# KiCad board Transmi.kicad_pcb (continued)
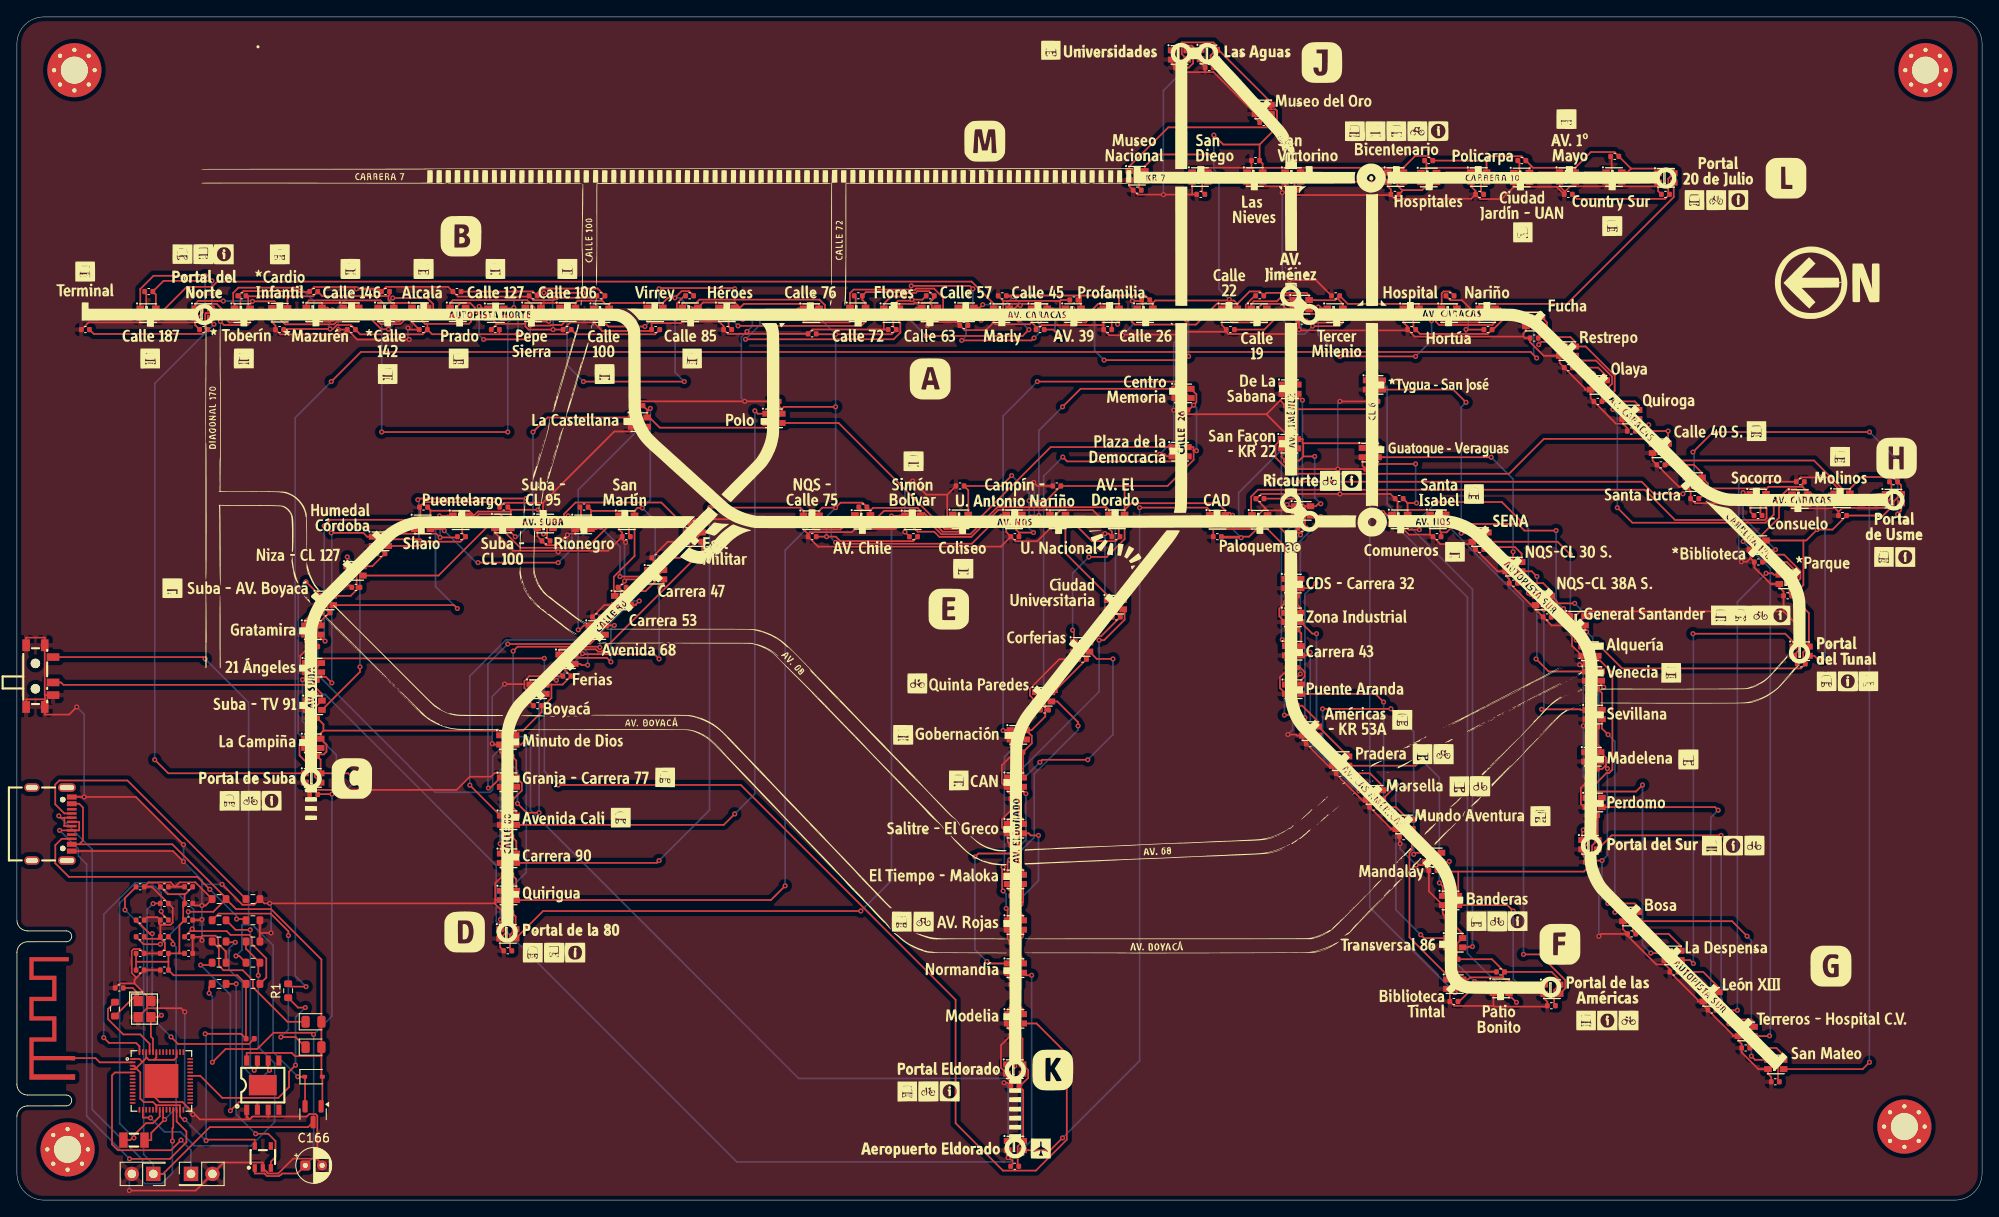
[diagram p0: board, top side]
## Routing (per net, layer and track width the routed paths; a pad name or vN(x,y) marks a point on that pad's centre or on a via; arc(x,y) is an arc through that point) (continued)
+BATT: length 57.4
  Top w0.2: C101.1 12.79,35.75 v1(12.79,34.34) ; J101.1 17.3,3.1 22.83,8.63 34.47,8.63 Q101.3
  Bottom w0.2: v1(12.79,34.34) 15,32.13 15,5.4 16.15,4.25 J101.1
BOOT: length 24.2
  Top w0.2: v1(19.42,7.09) 18.23,5.9 11.96,5.9 11.26,6.6 11.26,14.75 11.61,15.1 U1.5
  Bottom w0.2: J105.1 20.61,5.91 v1(19.42,7.09)
CHRG: length 21.5
  Top w0.2: U103.7 28.47,15.61 28.33,15.61 v1(28.09,15.36) ; R103.2 25.89,31.98 v1(27.62,31.98)
  Bottom w0.2: v1(27.62,31.98) 27.62,15.83 v1(28.09,15.36)
Earth: length 1656.3
  Top w0.2: C8.1 105.65,78.51 v1(105.11,79.05) LED30.2 104.45,79.9 103.95,79.4 99.19,79.4 ; 93.11,79.38 91.93,80.56 80.21,80.56 C47.1 79.94,79.71 79.94,78.57 LED95.2 77.05,77.9 C31.1 75.34,75.81 75.34,74.1 LED83.2 72.21,73.45 71.96,73.2 ; 93.11,79.38 LED6.2 ; 93.11,79.38 93.11,79.35 93.65,78.81 ; 137.66,133.46 C60.1 136.73,134.4 136.69,134.4 LED45.2 ; 137.66,133.46 v1(137.66,133.24) ; 137.66,133.46 140.65,133.46 ; 166.77,39.65 166.77,39.36 C124.1 167.13,36.54 LED68.2 168.77,33.88 C140.1 169.15,32.93 169.95,32.12 169.95,30.58 LED80.2 169.27,29.35 169.63,28.99 C156.1 170.3,27.83 170.3,27 ; 166.77,39.65 LED56.2 ; 166.77,39.65 v1(165.62,39.65) ; LED112.2 208.2,72.9 ; 208.2,72.9 209.11,72 C6.1 209.11,69.66 ; 208.2,72.9 207.59,72.9 205.65,74.85 C134.1 205.19,75.96 ; v1(106.03,85.09) 107.65,83.47 110.11,83.47 ; LED111.2 171.03,106.48 169.67,106.48 C84.1 ; LED111.2 173.11,103.85 168.61,103.85 LED99.2 ; LED111.2 172.45,104.4 172.43,104.37 v1(171.78,104.37) ; C3.1 99.28,106.83 99.28,104.97 98.61,104.3 ; 195.11,27.88 195.11,27.85 195.65,27.31 C42.1 198.95,23.69 198.95,23.5 LED139.2 199.61,22.95 199.7,22.95 C58.1 203.11,19.53 203.11,19.4 LED128.2 203.77,18.85 204.15,18.47 C74.1 204.15,17.47 206.12,15.5 LED140.2 207.27,14.95 207.65,14.57 C90.1 ; 195.11,27.88 LED127.2 ; 195.11,27.88 194.03,27.88 190.65,31.27 C26.1 ; 14.61,103.85 8.47,103.85 C1.1 ; 14.61,103.85 21.11,103.85 ; 14.61,103.85 LED13.2 15.31,105.1 15.31,107.32 C17.1 ; 27.54,9.55 27.88,9.89 29.75,9.89 ; 27.54,9.55 27.3,9.79 27.2,9.79 U103.1 ; 27.54,9.55 21.66,9.55 20.9,10.31 ; v1(171.52,103.02) 171.54,103 C100.1 ; C18.1 56.83,103.68 ; 56.83,103.68 60.19,103.68 ; 56.83,103.68 56.42,104.09 56.42,104.4 LED121.2 55.11,104.4 54.21,105.3 54.21,105.59 53.64,106.16 52.54,106.16 52.16,105.78 52.16,105.39 LED109.2 ; LED20.2 155.77,51.12 ; 155.77,51.12 155.48,51.12 C43.1 152.21,54.4 152.19,54.4 LED8.2 151.53,54.95 151.4,55.09 v1(150.44,55.09) ; 155.77,51.12 155.77,50.85 155.8,50.85 C59.1 156.15,50.4 159.43,47.12 159.77,47.12 ; LED131.2 71.27,79.35 71.65,78.97 C136.1 71.51,78.36 ; LED22.2 162.27,119.95 162.63,119.59 C45.1 162.63,118.92 ; 170.3,27 C139.1 ; 170.3,27 170.3,25.69 169.61,25 ; 185.77,46.22 185.77,45.95 185.96,45.76 185.96,45.5 ; 185.77,46.22 LED91.2 ; 185.77,46.22 185.11,46.88 185.11,48.77 v1(185.9,49.56) 185.9,50.79 C138.1 185.76,51.35 185.61,51.35 LED79.2 ; 185.96,45.5 185.96,42.19 LED103.2 185.27,40.95 185.57,40.65 ; 185.96,45.5 C154.1 ; LED119.2 89.37,92.63 89.37,94.41 C79.1 89.26,94.51 v1(86.15,94.51) 73.75,94.51 73.24,94 ; 194.27,119.95 LED94.2 ; 194.27,119.95 188.38,119.95 188.11,120.22 ; 194.27,119.95 194.27,119.38 C158.1 ; 190.11,91.86 189.28,91.86 C5.1 186.27,94.88 LED4.2 185.61,95.9 185.61,96.03 C149.1 182.61,99.04 LED135.2 180.72,99.9 179.11,101.52 C133.1 178.5,102 178.32,102.18 ; 190.11,91.86 190.11,91.85 190.61,91.35 C21.1 ; 190.11,91.86 LED16.2 ; 183.02,119.13 182.25,119.9 177.19,119.9 ; 183.02,119.13 C93.1 ; 183.02,119.13 183.22,119.33 ; 20.9,10.31 19.61,11.6 16.89,11.6 15.89,12.6 ; 20.9,10.31 20.82,10.23 v1(20.82,10.12) ; LED147.2 137.11,94.35 137.65,93.81 C162.1 ; C98.1 79.02,107 78.11,106.1 78.11,105.15 LED38.2 78.77,103.95 ; v1(21.9,33.2) 21.82,33.13 C119.2 ; 21.11,103.85 21.11,104.12 ; 21.11,103.85 21.11,103.52 C33.1 ; 47.11,78.85 LED89.2 47.76,80.05 47.76,81.89 C86.1 48.23,82.58 56.57,82.58 C104.1 57.66,82.51 62.27,82.51 ; 47.11,78.85 49.65,78.85 v1(50.09,78.41) 52.06,78.41 C87.1 ; 47.11,78.85 44.68,78.85 44.42,79.11 43.42,79.11 42.84,78.53 42.84,77.95 42.11,77.22 ; 102.61,103.01 94.16,103.01 C147.1 86.41,102.5 ; 102.61,103.01 LED86.2 103.37,105.16 103.37,105.51 104.28,106.42 105.81,106.42 v1(105.93,106.55) 107.17,106.55 C35.1 ; 102.61,103.01 103.11,103.01 C19.1 ; 146.11,104.95 146.64,104.95 147.03,105.33 147.03,105.69 147.38,106.05 149.66,106.05 150.31,105.4 LED63.2 ; 146.11,104.95 145.57,104.95 145.45,105.06 145.45,105.94 146.51,107 C20.1 ; 146.11,104.95 LED51.2 ; C88.1 141.61,79.4 ; 141.61,79.4 141.19,79.4 LED90.2 ; 141.61,79.4 146.19,79.4 LED102.2 146.95,80.71 146.95,81.07 147.76,81.89 ; 98.61,104.3 98.61,103.95 98.51,103.85 93.11,103.85 93.11,104.14 ; 98.61,104.3 LED74.2 ; 146.74,83 147.29,83.55 v1(156.6,83.55) 162.57,83.55 C153.1 163.42,82.71 163.42,80.65 163.14,80.37 ; 146.74,83 C117.1 ; 146.74,83 146.74,82.9 147.76,81.89 ; 215.11,81.95 215.01,81.85 210.11,81.85 LED64.2 ; 215.11,81.95 215.61,81.45 ; 215.11,81.95 LED76.2 214.45,82.5 214.45,82.67 214.54,82.75 214.7,82.75 214.7,82.75 214.76,82.75 215.06,83.05 215.64,83.05 215.76,83.17 215.76,84.03 214.28,85.51 211.12,85.51 C85.1 204.66,85 v1(204.35,85.3) ; 57.65,50.55 57.8,50.55 57.92,50.43 57.92,49.55 LED11.2 57.27,48.35 57.63,47.99 C78.1 57.95,47.18 57.95,45.08 LED142.2 57.27,43.85 57.63,43.49 C62.1 57.96,42.66 57.96,40.6 LED130.2 57.27,39.35 57.63,38.99 C46.1 56.61,37.49 56.61,35.5 ; 57.65,50.55 56.57,50.55 56.12,50.1 53.61,50.1 52.05,48.54 v1(37.81,48.54) 34.65,48.54 ; 57.65,50.55 C94.1 57.19,52.96 LED23.2 56.53,53.9 56.43,54.01 v1(56.26,54.01) ; 111.42,103.89 111.42,103.69 C51.1 112.17,102.94 114.69,102.94 115.61,103.85 ; 111.42,103.89 LED110.2 ; 111.42,103.89 107.77,103.89 ; LED9.2 150.11,119.95 ; 150.11,119.95 150.2,119.95 C12.1 150.65,119.22 ; 150.11,119.95 145.61,119.95 LED10.2 146.26,121.15 146.26,122.1 146.2,122.16 146.13,122.16 ; 166.84,122.15 166.84,122.79 C142.1 ; 166.84,122.15 166.84,121.1 LED34.2 ; 166.84,122.15 172.64,122.15 172.77,122.02 172.77,120.62 172.11,119.96 ; 174.77,23 174.75,22.98 170.13,22.98 C123.1 169.61,25 ; 174.77,23 174.87,22.9 181.04,22.9 C155.1 181.15,23.47 180.77,23.85 LED116.2 ; 174.77,23 LED104.2 ; LED126.2 163.14,80.37 ; 163.14,80.37 164.76,78.75 167.27,78.75 ; 150.65,119.22 150.95,118.92 162.63,118.92 ; 150.65,119.22 149.8,119.22 v1(149.78,119.2) ; 139.11,119 139.08,118.97 v1(135.7,118.97) 132.65,118.97 C76.1 131.66,119.97 LED57.2 ; 139.11,119 LED69.2 139.9,121.29 139.9,121.7 140.36,122.16 146.13,122.16 ; 139.11,119 C13.1 ; 26.3,107.04 26.47,106.87 26.47,105.1 LED37.2 25.11,104.4 25.11,104.58 23.64,106.05 22.4,106.05 22.03,105.67 22.03,105.04 21.11,104.12 ; 26.3,107.04 26.18,107.04 C49.1 ; 26.3,107.04 26.82,107.56 33.24,107.56 33.34,107.46 34.61,107.46 C81.1 35.18,108.04 39.98,108.04 v1(40.19,107.83) 42.82,107.83 C130.1 43.71,108.06 51.04,108.06 C2.1 52.2,106.91 60.53,106.91 C34.1 61.15,106.48 63.51,106.48 v1(63.8,106.77) 68.42,106.77 C66.1 ; 21.83,31.16 21.96,31.29 23.5,31.29 23.82,30.96 23.82,30.33 24.76,29.4 R105.2 ; 21.83,31.16 C120.2 C121.2 ; 21.83,31.16 21.83,30.8 v1(21.91,30.73) ; 86.41,102.5 86.4,102.49 84.16,102.49 C131.1 83.65,103.41 83.11,103.95 ; 86.41,102.5 v1(86.41,102.78) ; v1(151.76,103) 151.76,103.84 C36.1 ; v1(151.76,103) 151.24,102.48 143.41,102.48 143.15,102.74 ; v1(151.76,103) 151.85,102.91 164.52,102.91 C68.1 ; SW129.4 1.09,66.55 3.29,66.55 SW129.4 3.29,59.78 3.32,59.75 ; 61.61,79.22 62.27,79.89 62.27,82.51 ; 61.61,79.22 LED125.2 ; 61.61,79.22 61.61,78.54 C116.1 62.66,77.49 63.94,77.49 v1(65.17,78.71) 65.31,78.85 66.11,78.85 LED137.2 66.76,79.4 66.76,81.89 C135.1 ; 129.27,79.72 127.34,81.65 123.54,81.65 122.92,81.03 122.92,80.65 LED66.2 ; 129.27,79.72 LED78.2 ; 129.27,79.72 129.27,79.45 129.61,79.11 C72.1 129.25,78.86 v1(128.78,78.86) ; C7.1 34.16,52.95 34.11,52.95 LED5.2 34.76,54.15 34.76,55.71 v1(34.71,55.76) 34.71,56.92 C23.1 34.63,57.09 34.27,57.45 LED17.2 ; 3.32,59.75 SW129.3 ; 3.32,59.75 3.32,59 3.29,58.98 ; 185.77,56.62 186.42,57.28 186.42,60.23 C89.1 185.75,60.9 185.69,60.9 LED55.2 ; 185.77,56.62 LED67.2 ; 185.77,56.62 185.77,56.35 185.8,56.35 C122.1 186.03,56.12 v1(185.41,56.12) ; 117.27,48.62 116.58,49.31 116.58,51.45 C145.1 117.61,53.52 LED12.2 118.79,55.69 118.79,56.12 120.67,58 C144.1 120.7,58.45 120.61,58.45 LED24.2 119.9,59.7 119.9,60.51 123.39,64 C128.1 125.3,64.35 125.11,64.35 LED36.2 126.29,66.09 126.29,66.47 127.2,67.38 v1(127.31,67.38) 128.94,69 C95.1 129.3,69.35 129.11,69.35 LED48.2 ; 117.27,48.62 117.27,48.35 117.65,47.97 C129.1 117.65,46.1 116.59,45.05 116.59,44.07 LED84.2 117.27,42.38 C96.1 118.3,41.35 118.3,38.43 LED96.2 117.27,36.85 117.65,36.47 C80.1 117.98,35.67 117.98,32.71 LED108.2 117.27,30.88 C64.1 117.93,30.22 117.93,27.28 117.27,26.62 ; 117.27,48.62 LED72.2 ; R111.2 28.77,31.62 ; 28.77,31.62 R109.2 ; 28.77,31.62 v1(30.09,31.62) ; C97.1 38.54,102.44 31.17,102.44 C65.1 30.61,103.48 30.19,103.9 LED49.2 ; C97.1 39.1,103 v1(38.04,103) ; C97.1 40.27,101.83 v1(46.43,101.83) ; LED54.2 117.11,79.04 C40.1 ; 178.32,102.18 178.32,102.56 178.61,102.85 LED123.2 ; 178.32,102.18 171.52,102.18 ; 75.13,103.77 C82.1 74.97,102.84 69.27,102.84 68.27,103.85 ; 75.13,103.77 74.95,103.95 74.61,103.95 LED26.2 ; 75.13,103.77 78.59,103.77 78.77,103.95 ; C68.1 165.43,102.18 171.52,102.18 ; C68.1 164.61,103.35 164.11,103.85 LED87.2 ; C22.1 210.33,63.85 210.27,63.85 LED124.2 210.92,65.05 210.92,67.84 209.11,69.66 ; 117.27,26.62 117.27,26.35 117.65,25.97 C48.1 118.27,24.87 118.27,21.91 LED132.2 117.27,20.35 117.65,19.97 C32.1 116.48,18.33 116.48,15.66 LED144.2 117.19,14.4 117.65,13.94 C16.1 117.25,13.89 v1(116.83,13.89) ; 117.27,26.62 LED120.2 ; LED100.2 205.19,75.96 ; 205.19,75.96 204.76,75.54 v1(204.11,75.54) ; LED43.2 181.65,68 C57.1 179.8,69.85 179.77,69.85 179.77,70.1 ; LED43.2 183.77,67.45 184.11,67.11 C73.1 184.06,66.96 184.06,65.6 LED60.2 185.27,63.85 185.3,63.85 C160.1 185.5,63.35 v1(184.96,63.35) ; LED43.2 184.48,68.71 184.48,69.11 185.03,69.66 209.11,69.66 ; C15.1 71.16,72.48 71.24,72.48 ; LED63.2 151.11,104.85 154.01,104.85 154.45,104.4 LED75.2 ; LED63.2 151.76,105.4 151.78,105.43 v1(152.01,105.43) ; C40.1 118.19,77.95 120.77,77.95 122.27,79.45 LED66.2 ; C40.1 116.47,77.32 94.83,77.32 C151.1 93.65,78.81 ; LED39.2 142.61,103.54 C4.1 143.15,102.74 ; 35.61,70.12 35.61,69.85 35.76,69.85 C55.1 34.76,68.15 34.76,67.55 LED41.2 34.11,66.04 C54.1 33.53,64.39 33.53,63.1 LED29.2 34.19,61.9 34.21,61.9 C39.1 33.89,61.5 v1(33.81,61.58) ; 35.61,70.12 36.47,70.99 36.47,71.62 37.57,72.73 39.11,72.73 ; 35.61,70.12 LED53.2 ; SW129.4 1.09,59.25 3.29,59.25 3.29,58.98 ; 143.15,102.74 138.22,102.74 v1(137.89,102.41) 130.95,102.41 v1(130.87,102.33) 129.3,102.33 C132.1 128.61,103.02 128.61,103.53 ; 42.11,77.22 42.11,76.85 42.26,76.85 C71.1 41.29,76.5 39.82,75.03 39.82,74.62 LED65.2 39.11,72.73 ; 42.11,77.22 LED77.2 ; LED31.2 179.77,70.1 ; 179.77,70.1 179.54,70.1 C41.1 176.65,73.47 176.27,73.85 LED19.2 175.25,74.4 C25.1 172.3,77.35 172.27,77.35 172.27,77.62 ; C28.1 146.66,127.95 146.61,127.95 LED21.2 141.64,133.46 140.65,133.46 ; 60.19,103.68 LED133.2 ; 60.19,103.68 60.19,103.37 60.55,103 v1(63.47,103) 63.47,103 C50.1 65.49,103.85 68.27,103.85 ; 35.19,4.91 35.19,5.61 35.56,5.99 35.56,9.98 35.37,10.17 34.6,10.17 34.32,9.89 29.75,9.89 ; 35.19,4.91 32.68,4.91 30.93,3.15 29.72,3.15 29.6,3.27 29.6,3.3 Q102.2 29.11,4.45 24.5,4.45 J105.2 21.18,1.13 v1(13.31,1.13) ; 35.19,4.91 35.48,4.91 36.13,4.25 C166.2 ; 39.11,72.73 39.42,72.73 C70.1 ; 21.11,104.12 LED25.2 ; 162.63,118.92 163.06,118.49 172.13,118.49 C61.1 ; LED28.2 193.61,87.5 C37.1 196.71,84.4 LED40.2 198.11,83.9 C53.1 198.66,82.45 v1(203.8,82.45) LED52.2 205.19,81.42 C69.1 ; C38.1 34.65,48.54 ; 34.65,48.54 34.34,48.85 34.11,48.85 LED136.2 ; 18.74,37.07 C115.1 ; 18.74,37.07 18.21,37.59 15.59,37.59 C101.2 15.97,37.07 C110.2 18.44,34.6 18.44,32.83 18.18,32.57 16.98,32.57 ; 18.74,37.07 C109.2 ; 18.74,37.07 19.26,37.59 21.13,37.59 R101.1 22.34,34.85 v1(21.9,34.85) 21.05,34.85 C118.2 ; v1(185.65,40.73) 185.57,40.65 ; 185.57,40.65 185.65,40.57 C10.1 ; 171.52,102.18 v1(171.52,101.85) ; 46.13,104.5 C146.1 46.47,103 v1(46.28,103.19) ; 46.13,104.5 LED97.2 ; 46.13,104.5 46.13,104.39 45.38,103.65 43.07,103.65 42.77,103.95 LED85.2 ; 16.98,32.57 C112.1 16.74,30.92 16.68,30.92 ; 16.98,32.57 16.8,32.75 16.8,33.3 ; C111.1 16.8,33.3 ; 16.8,33.3 16.63,33.47 15.41,33.47 C105.2 ; 215.61,81.45 216.06,81.9 221.19,81.9 LED88.2 221.87,83.13 221.87,84.78 C150.1 ; 215.61,81.45 C102.1 ; 188.11,120.22 LED82.2 188.76,121.15 188.76,123.39 C126.1 ; 188.11,120.22 188.11,119.95 183.84,119.95 183.22,119.33 ; LED59.2 68.43,67.56 68.43,68.7 C159.1 69.53,70.4 LED71.2 71.46,71.09 71.46,72.26 71.24,72.48 ; 140.65,133.46 C44.1 140.2,134.45 140.11,134.45 LED33.2 ; C92.1 149.53,94.61 ; 149.53,94.61 147.9,92.98 ; 149.53,94.61 149.77,94.85 LED81.2 ; 115.61,103.85 LED122.2 116.74,105.54 116.74,106.39 ; 115.61,103.85 115.61,103.85 115.83,103.62 119.88,103.62 120.11,103.85 ; C63.1 73.15,94 73.24,94 ; C67.1 116.74,106.4 116.74,106.39 ; 3.29,58.98 SW129.4 3.29,57.45 6.18,57.45 v1(7.08,58.35) ; 147.9,92.98 138.16,92.98 C162.1 ; 147.9,92.98 150.38,90.5 150.38,89.64 LED93.2 149.69,87.96 C125.1 151.15,86.5 v1(156.34,86.5) C164.1 159.27,86.88 LED146.2 ; 64.07,76.83 69.98,76.83 71.51,78.36 ; 64.07,76.83 v1(64.07,76.68) ; 64.07,76.83 58.72,76.83 56.61,78.95 LED113.2 ; 62.27,82.51 70.71,90.95 72.77,90.95 LED107.2 73.42,92.15 73.42,93.82 73.24,94 ; LED138.2 167.27,78.75 ; USB101.A1B12 v1(7.96,47.7) 14.08,47.7 v1(19.72,42.06) ; LED32.2 159.77,47.12 ; 159.77,47.12 159.77,46.85 160.11,46.51 C75.1 162.61,43.99 162.61,43.9 LED44.2 163.27,43.35 163.3,43.35 C91.1 163.65,42.25 v1(163.72,42.18) ; LED148.2 136.11,88 135.86,88.25 v1(135.26,88.25) ; 169.61,25 LED92.2 ; 123.45,106.39 123.45,105.05 LED3.2 ; 123.45,106.39 116.74,106.39 ; 123.45,106.39 123.56,106.5 C99.1 ; 150.61,59.31 v1(151,59.31) ; 150.61,59.31 150.57,59.35 150.19,59.35 LED141.2 149.5,60.59 149.5,61.87 C11.1 150.63,63.46 150.19,63.9 LED129.2 150.85,65.11 150.85,67.28 C157.1 150.28,67.85 150.11,67.85 LED117.2 149.42,69.09 149.42,69.99 v1(150.17,70.74) 150.17,71.04 C141.1 150.28,71.85 150.11,71.85 LED105.2 ; 150.61,59.31 C27.1 ; 93.11,104.14 87.65,104.14 v1(87.05,104.74) ; 93.11,104.14 LED62.2 ; v1(107.77,103.48) 107.77,103.89 ; 107.77,103.89 107.71,103.95 107.11,103.95 LED98.2 ; 13.92,25.63 13.92,26.08 14.15,26.3 ; 13.92,25.63 15.41,24.15 15.41,23.55 ; 13.92,25.63 12.16,25.63 C103.1 ; 14.15,26.3 13.58,26.87 13.58,29.48 13.81,29.71 14.55,29.71 C107.2 C113.1 17.51,29.72 17.51,30.48 17.07,30.92 16.68,30.92 ; 14.15,26.3 C108.2 C114.1 ; 128.61,103.53 121.29,103.53 121.09,103.33 120.63,103.33 ; 128.61,103.53 LED15.2 ; LED46.2 172.11,119.96 ; 172.11,119.96 172.11,119.95 172.65,119.41 C61.1 ; 29.75,9.89 U103.3 ; 78.77,103.95 78.77,103.95 83.11,103.95 ; 16.68,30.92 15.3,30.92 C106.2 ; 15.41,22.7 X101.2 ; 15.41,22.7 15.41,23.55 ; 15.41,22.7 19.44,22.7 v1(19.87,22.27) ; 99.19,79.4 LED18.2 99.87,80.64 99.87,81.77 C152.1 ; 99.19,79.4 98.82,79.03 93.87,79.03 93.65,78.81 ; 120.63,103.33 C83.1 ; 120.63,103.33 120.11,103.85 120.11,103.85 ; 177.19,119.9 LED58.2 177.84,121.1 177.84,122.81 C77.1 ; 177.19,119.9 175.73,118.44 173.21,118.44 C61.1 ; 71.24,72.48 71.96,73.2 ; LED47.2 64.19,62.44 C143.1 60.64,62 60.07,61.42 60.07,61.05 ; 71.96,73.2 v1(71.92,73.24) ; C127.1 60.77,58.88 LED35.2 60.07,60.6 60.07,61.05 ; v1(120.41,80.05) 121.57,80.05 121.61,80 LED66.2 ; 15.41,23.55 X101.4 ; 147.76,81.89 148.04,81.61 150.66,81.61 LED114.2 151.27,80.45 151.63,80.09 C137.1 151.3,79.82 v1(150.92,79.82) ; 110.11,83.47 110.11,80.65 LED42.2 ; 110.11,83.47 C24.1 ; LED2.2 63.61,104.5 63.61,104.55 v1(63.41,104.76) ; LED143.2 117.27,5.35 117.33,5.29 v1(117.33,5.01) 117.33,4.93 117.55,4.93 117.85,4.64 117.85,4.22 C161.1 ; 167.27,78.75 167.51,78.5 C9.1 168.48,77.62 172.27,77.62 ; 83.11,103.95 LED50.2 ; v1(19.72,40.05) 18.47,41.3 USB101.B1A12 ; v1(72.05,77.82) 71.51,78.36 ; C26.1 190.11,32.04 LED115.2 ; C26.1 187.52,31.5 v1(187.24,31.22) ; 56.56,35.11 56.56,35.07 C30.1 57.85,33.78 57.85,31.61 LED106.2 57.19,29.94 C14.1 ; 56.56,35.11 56.61,35.17 56.61,35.5 ; 56.56,35.11 v1(29.92,35.11) 29.27,35.11 R108.2 28.09,34.94 26.7,34.94 v1(24.29,37.36) ; 172.27,77.62 LED7.2 ; 56.61,35.5 LED118.2 ; C56.1 120.77,84.5 v1(120.36,84.92) ; 60.07,61.05 v1(57.72,61.05) ; C162.1 137.61,93.46 v1(136.93,93.46) ; C29.1 146.13,122.16 ; v1(132.04,106.39) 133.02,106.39 C148.1 133.26,106.37 133.26,104.4 LED27.2 ; 68.27,103.85 LED14.2 ; LED61.2 34.27,103.95 37.14,103.95 v1(37.41,104.21) 37.69,104.5 LED73.2 ; LED134.2 120.11,103.85 ; J104.2 6.18,14.56 ; C52.1 153.74,108.86 v1(150.63,108.86) ; LED145.2 159.77,94.88 C163.1 156.61,94.5 v1(156.6,94.52) ; 183.22,119.33 182.61,119.95 LED70.2 ; LED101.2 50.95,79.9 50.93,79.92 v1(50.37,79.92)
  Bottom w0.2: v1(46.28,103.19) 46.28,101.99 v1(46.43,101.83) ; v1(204.35,85.3) 203.8,84.75 v1(203.8,82.45) 203.8,75.85 v1(204.11,75.54) ; v1(29.92,35.11) 30.09,34.94 v1(30.09,31.62) ; v1(63.47,103) 63.47,104.69 v1(63.41,104.76) 63.41,106.38 v1(63.8,106.77) ; v1(64.07,76.68) 65.17,77.78 v1(65.17,78.71) ; 37.96,104.21 37.96,105.6 v1(40.19,107.83) ; 37.96,104.21 v1(37.41,104.21) ; 37.96,104.21 38.04,104.14 v1(38.04,103) ; v1(127.31,67.38) 128.78,68.85 v1(128.78,78.86) ; v1(120.36,84.92) 120.41,84.86 v1(120.41,80.05) ; v1(150.92,79.82) 150.17,79.07 v1(150.17,70.74) ; v1(151.76,103) 152.01,103.24 v1(152.01,105.43) 150.63,106.8 v1(150.63,108.86) 149.78,109.71 v1(149.78,119.2) ; v1(117.33,5.01) 117.33,13.4 v1(116.83,13.89) ; v1(7.96,47.7) 7.96,57.47 v1(7.08,58.35) ; 21.9,37.36 v1(24.29,37.36) ; 21.9,37.36 v1(21.9,34.85) v1(21.9,33.2) 21.91,33.19 v1(21.91,30.73) ; 21.9,37.36 21.9,37.87 v1(19.72,40.05) v1(19.72,42.06) ; v1(184.96,63.35) 185.41,62.9 v1(185.41,56.12) 185.41,50.05 v1(185.9,49.56) ; J101.2 13.31,2.8 v1(13.31,1.13) ; v1(50.09,78.41) 50.09,79.64 v1(50.37,79.92) ; v1(107.77,103.48) 107.77,104.71 v1(105.93,106.55) ; v1(137.89,102.41) 136.93,101.44 v1(136.93,93.46) 136.93,89.91 v1(135.26,88.25) ; v1(106.03,85.09) 105.11,84.16 v1(105.11,79.05) ; v1(71.92,73.24) 71.92,77.69 v1(72.05,77.82) ; v1(150.44,55.09) 151,55.65 v1(151,59.31) ; v1(187.24,31.22) 187.24,39.14 v1(185.65,40.73) ; v1(135.7,118.97) 135.7,131.28 v1(137.66,133.24) ; v1(165.62,39.65) 163.72,41.55 v1(163.72,42.18) ; v1(57.72,61.05) 56.26,59.59 v1(56.26,54.01) ; v1(132.04,106.39) 132.04,103.5 v1(130.87,102.33) ; v1(87.05,104.74) 87.05,103.42 v1(86.41,102.78) 85.74,102.11 85.74,94.92 v1(86.15,94.51) ; v1(37.81,48.54) 37.81,52.66 v1(34.71,55.76) 33.81,56.66 v1(33.81,61.58) ; v1(171.78,104.37) 171.78,103.27 v1(171.52,103.02) v1(171.52,101.85) ; v1(20.82,10.12) 19.87,11.08 v1(19.87,22.27) ; v1(156.6,94.52) 156.34,94.26 v1(156.34,86.5) 156.6,86.25 v1(156.6,83.55)
LED: length 225.3
  Top w0.2: v1(179.53,103.23) 179.62,103.23 179.79,103.4 LED123.3 ; R1.2 32.45,25.26 v1(34.22,25.26) ; v1(179.88,99.64) 179.16,100.36 40.72,100.36 v1(37.21,96.85)
  Bottom w0.2: v1(179.53,103.23) 179.53,99.99 v1(179.88,99.64) ; v1(34.22,25.26) 32.95,26.53 32.95,92.59 v1(37.21,96.85)
RESET: length 51.3
  Top w0.2: 21.01,31.83 v1(20.75,32.09) ; 21.01,31.83 24.83,31.83 25.28,31.38 27.52,31.38 27.82,31.08 27.82,30.29 29.52,28.59 29.52,26.33 R113.2 ; 21.01,31.83 20.52,31.83 C120.1 ; v1(10.28,19.22) 10.9,18.6 14.11,18.6 14.51,18.2 U1.56
  Bottom w0.2: v1(20.75,32.09) 20.92,32.27 20.92,34.38 19.07,36.24 17.96,36.24 16.65,37.55 14.01,37.55 10.28,33.82 v1(10.28,19.22)
STBY: length 21.9
  Top w0.2: R104.2 24.85,30.5 v1(25.85,30.5) ; U103.6 29.75,15.61 29.9,15.46 v1(29.9,15.36)
  Bottom w0.2: v1(29.9,15.36) 29.27,14.74 27.78,14.74 26.68,15.84 26.68,25.72 25.11,27.28 25.11,29.77 v1(25.85,30.5)
USB_DN: length 62.6
  Top w0.2: U1.25 18.51,8.6 18.41,8.5 v1(18.41,6.98) ; USB101.A7 5.62,44.25 5.62,44.25 5.62,45.22 ; 5.62,45.22 5.62,45.25 USB101.B7 ; 5.62,45.22 5.19,45.22 v1(4.96,45.46)
  Bottom w0.2: v1(18.41,6.98) 18.41,3.2 17.16,1.95 15.14,1.95 14.88,2.21 14.88,4.75 8.91,10.71 8.91,41.5 v1(4.96,45.46)
USB_DP: length 58.4
  Top w0.2: U1.26 18.91,9.3 20.06,8.14 20.06,6.84 18.09,4.87 v1(13.33,4.87) ; v1(5.05,43.75) 5.06,43.75 USB101.B6 7.37,43.75 7.37,44.75 USB101.A6
  Bottom w0.2: v1(5.05,43.75) 7.28,41.52 7.28,40.73 8.26,39.75 8.26,9.95 v1(13.33,4.87)
XTAL_N: length 18.3
  Top w0.2: C105.1 15.71,31.53 v1(16.02,31.53) ; U1.52 16.11,19.1 15.86,19.35 X101.3 16.71,21.65 16.92,21.87 v1(17.11,21.87)
  Bottom w0.2: v1(17.11,21.87) 16.02,22.95 v1(16.02,31.53)
XTAL_P: length 9.5
  Top w0.2: U1.53 15.71,18.5 14.61,19.6 12.59,19.6 10.78,21.41 10.78,22.6 R107.2
Net-(C110-Pad1): length 28.6
  Top w0.2: L101.2 27.46,18.47 19.08,18.47 v1(18.24,19.31) ; v1(16.12,35.07) 16.15,35.1 C110.1
  Bottom w0.2: v1(18.24,19.31) 15.41,22.14 15.41,34.36 v1(16.12,35.07)
Net-(D129-K): length 26.5
  Top w0.2: v1(31.24,19.29) 32.98,19.29 D129.1 ; R103.1 23.89,33.89 30.04,33.89 32.14,31.8 v1(32.14,31.3)
  Bottom w0.2: v1(31.24,19.29) 32.14,20.19 v1(32.14,31.3)
Net-(D130-K): length 16.7
  Top w0.2: D130.1 32.02,21.1 27.94,25.18 27.94,25.99 26.73,27.2 24.46,27.2 23.91,27.75 23.91,29.8 R104.1
Net-(J104-Pin_1): length 7.3
  Top w0.2: J104.1 9.31,16.8 9.81,16.3 U1.2
Net-(LED2-DO): length 31.8
  Top w0.2: v1(65.12,105.58) 64.94,105.58 64.92,105.6 LED2.1 ; v1(77.91,104.27) 77.68,104.5 LED26.3 ; v1(67.06,96.85) v1(78.99,96.85)
  Bottom w0.2: v1(78.99,96.85) 77.91,97.93 v1(77.91,104.27) ; v1(65.12,105.58) 65.12,98.78 v1(67.06,96.85)
Net-(LED5-DI): length 24.1
  Top w0.2: LED53.1 35.61,72.05 35.33,72.05 v1(34.22,73.16) ; LED5.3 35.03,53.5 v1(35.03,53.5)
  Bottom w0.2: v1(34.22,73.16) 33.3,72.24 33.3,55.22 v1(35.03,53.5)
Net-(LED10-DI): length 3.1
  Top w0.2: LED10.3 149.01,120.5 LED9.1
Net-(LED10-DO): length 5.1
  Top w0.2: LED10.1 144.51,120.5 LED69.3
Net-(LED11-DO): length 32
  Top w0.2: v1(55.81,48.76) 56.02,48.76 LED11.1 ; v1(58.1,65.8) 67.85,65.8 68.95,66.9 LED59.3
  Bottom w0.2: v1(55.81,48.76) 55.76,48.81 55.76,63.45 v1(58.1,65.8)
Net-(LED12-DO): length 63
  Top w0.2: LED147.3 138.03,95.82 138.03,96.19 137.36,96.85 v1(120.78,96.85) ; v1(116.73,55.56) 116.91,55.56 116.95,55.6 LED12.1
  Bottom w0.2: v1(120.78,96.85) 116.73,92.8 v1(116.73,55.56)
Net-(LED13-DO): length 21.2
  Top w0.2: v1(22.29,109.37) 16.17,109.37 14.61,107.8 LED13.1 ; v1(24.09,103.96) 24.51,103.54 27.3,103.54 27.61,103.85 LED37.3
  Bottom w0.2: v1(24.09,103.96) 22.29,105.76 v1(22.29,109.37)
Net-(LED14-DO): length 14.2
  Top w0.2: LED38.3 79.76,104.5 v1(79.72,104.54) ; v1(74.33,103.37) 70.03,103.37 68.95,104.45 68.95,104.82 LED14.1
  Bottom w0.2: v1(74.33,103.37) 75.77,104.81 79.46,104.81 v1(79.72,104.54)
Net-(LED15-DI): length 11
  Top w0.2: LED15.3 130.45,103.85 130.28,103.68 v1(130.28,103.63) ; LED3.1 125.03,104.58 125.03,104.17 125.35,103.85 126.49,103.85 126.76,104.13 126.76,104.84 127.98,106.05 129.14,106.05 129.47,105.72 v1(129.47,105.35)
  Bottom w0.2: v1(129.47,105.35) 130.28,104.54 v1(130.28,103.63)
Net-(LED15-DO): length 26.1
  Top w0.2: v1(127.56,104.92) 127.95,105.32 127.95,105.5 LED15.1 ; v1(138.46,104.13) 138.18,104.4 LED27.3 ; v1(128.69,99.39) 138.24,99.39 v1(138.69,99.83)
  Bottom w0.2: v1(128.69,99.39) 127.56,100.52 v1(127.56,104.92) ; v1(138.46,104.13) 138.69,103.89 v1(138.69,99.83)
Net-(LED16-DI): length 11.8
  Top w0.2: LED16.3 191.95,91.85 192.06,91.74 v1(193.15,91.74) ; v1(186.57,97.78) 186.34,97.55 186.27,97.55 LED4.1
  Bottom w0.2: v1(186.57,97.78) 192.6,91.74 v1(193.15,91.74)
Net-(LED16-DO): length 39.7
  Top w0.2: LED16.1 189.45,93.5 189.4,93.56 v1(188.9,93.56) ; v1(189.43,81.93) 191.21,80.15 206.98,80.15 207.94,81.11 207.94,82.43 209.61,84.1 210.6,84.1 210.95,83.75 210.95,83.39 LED64.3
  Bottom w0.2: v1(189.43,81.93) 189.43,93.03 v1(188.9,93.56)
Net-(LED17-DI): length 21.7
  Top w0.2: v1(40.61,63.1) 40.61,62.5 LED17.3 ; v1(39.11,76.1) LED65.1
  Bottom w0.2: v1(40.61,63.1) 40.61,74.6 v1(39.11,76.1)
Net-(LED18-DI): length 25.9
  Top w0.2: LED66.1 122.27,81.65 116.15,81.65 112.98,78.48 109.18,78.48 108.58,79.09 106.62,79.09 105.88,79.82 105.88,81.32 105.66,81.55 102.63,81.55 LED18.3
Net-(LED19-DI): length 18.3
  Top w0.2: v1(179.91,73.79) 179.3,74.4 LED19.3 ; LED55.1 181.29,62.55 v1(179.81,64.03)
  Bottom w0.2: v1(179.91,73.79) 179.91,64.14 v1(179.81,64.03)
Net-(LED20-DI): length 26.1
  Top w0.2: v1(166.24,52.1) 165.53,51.4 LED20.3 ; v1(168.36,37.54) 168.77,37.14 LED68.1
  Bottom w0.2: v1(166.24,52.1) 168.36,49.98 v1(168.36,37.54)
Net-(LED21-DI): length 20.9
  Top w0.2: LED21.3 148.45,127.95 148.57,127.83 148.57,127.16 148.35,126.93 136.28,126.93 131.66,122.31 LED57.1
Net-(LED21-DO): length 7.3
  Top w0.2: LED21.1 146.61,130.34 LED33.3
Net-(LED22-DI): length 2.5
  Top w0.2: LED34.1 165.14,120.5 LED22.3
Net-(LED22-DO): length 10.8
  Top w0.2: LED22.1 161.17,120.5 LED9.3
Net-(LED23-DO): length 30.9
  Top w0.2: LED23.1 58.02,55 v1(58.07,54.96) ; LED71.3 73.26,70.4 73.26,70.49 v1(73.66,70.89) ; v1(69,65.4) 68.91,65.48 59.27,65.48 v1(58.74,64.95)
  Bottom w0.2: v1(58.74,64.95) 58.74,55.63 v1(58.07,54.96) ; v1(73.66,70.89) 72.83,70.89 69,67.06 v1(69,65.4)
Net-(LED24-DI): length 25.8
  Top w0.2: v1(125.61,56.1) 125.61,56.54 123.15,59 LED24.3 ; LED96.1 117.27,40.02 v1(117.5,40.26)